# KiCad board Scopefun_v2.kicad_pcb (continued)
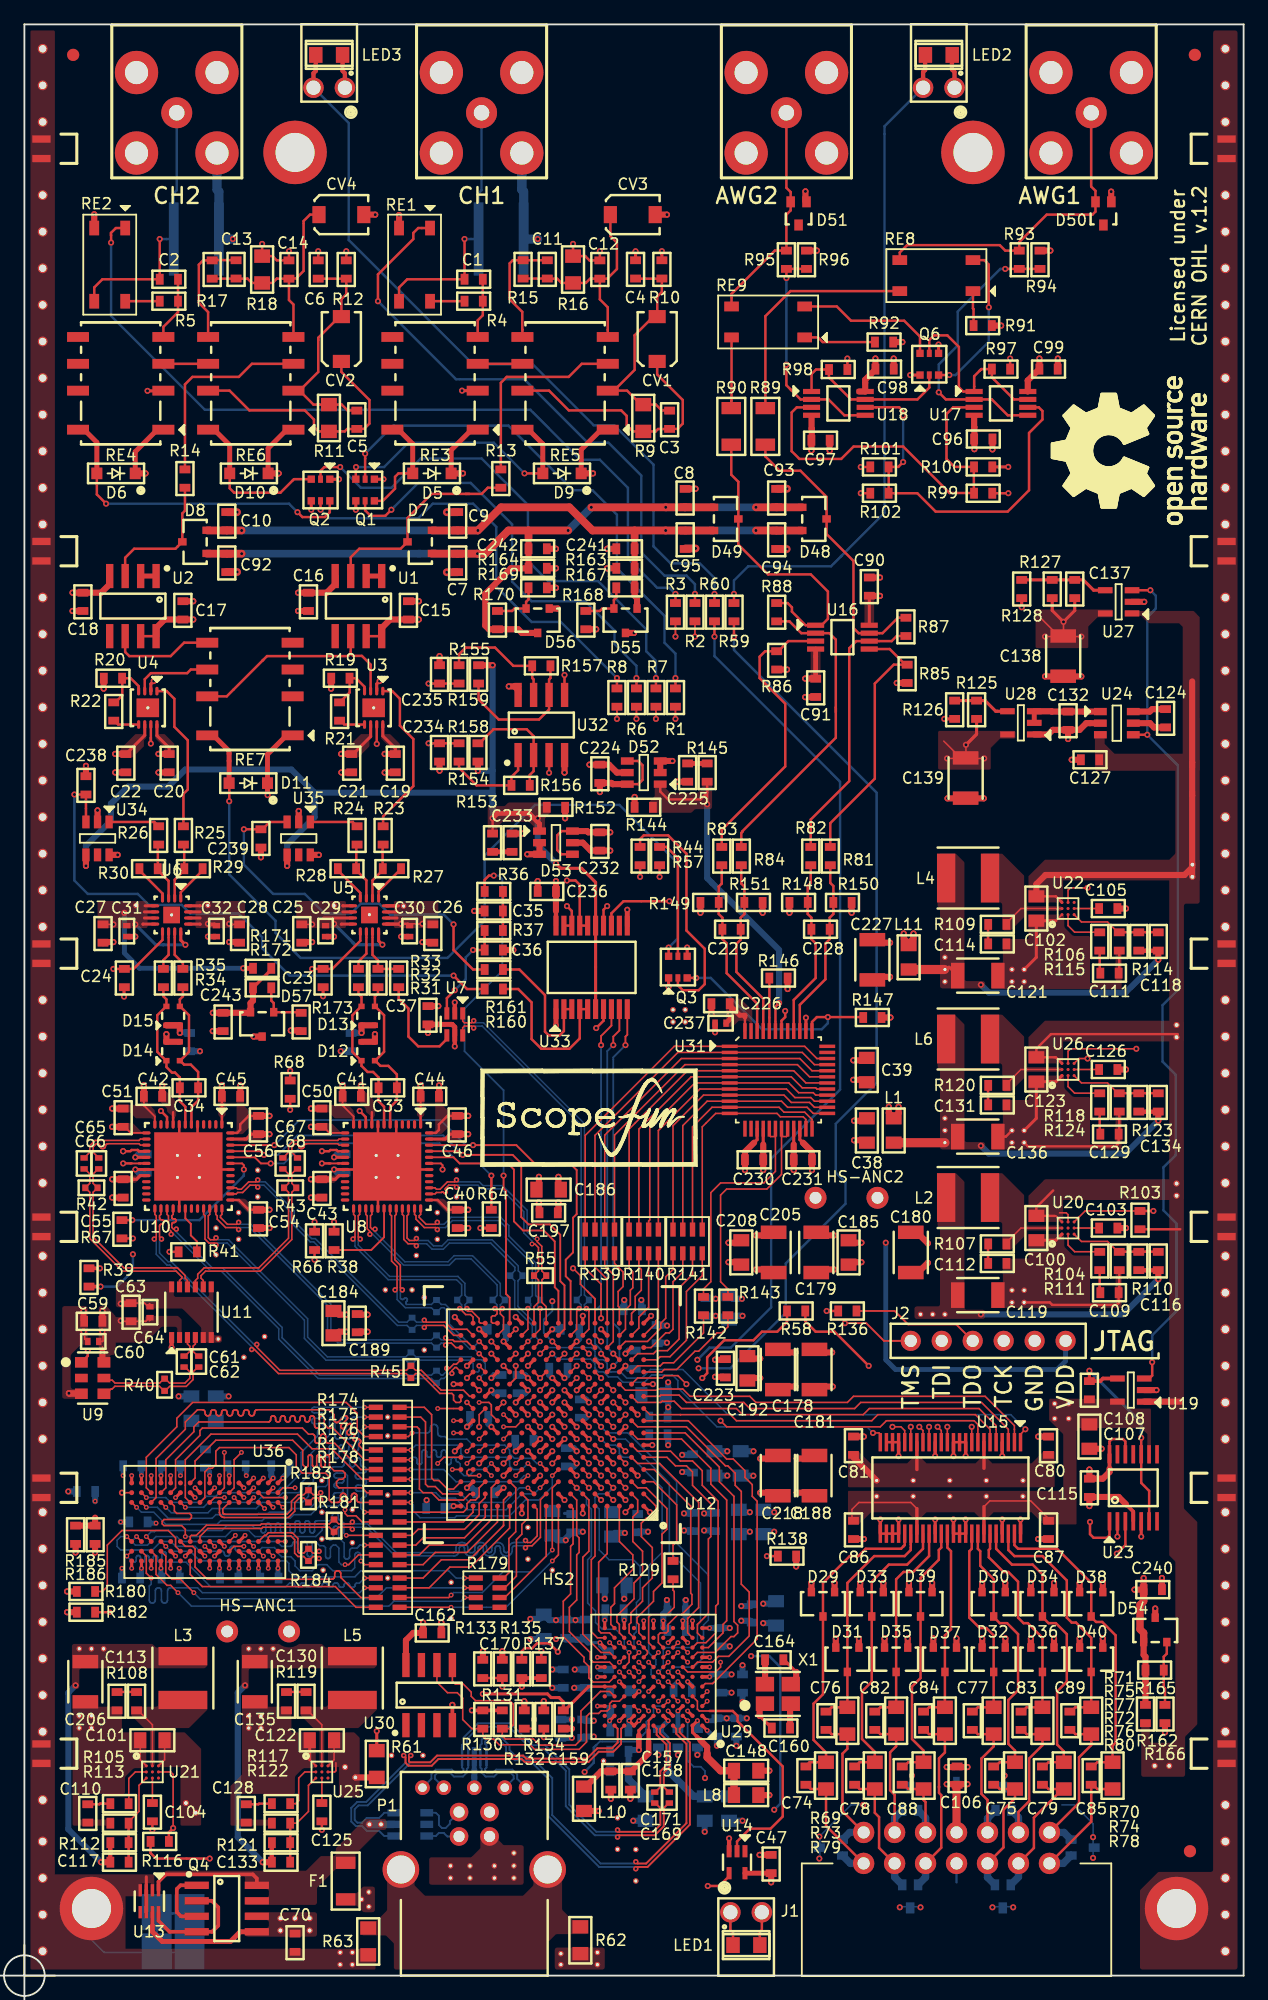
[diagram p0: board, top side]
## Routing (per net, layer and track width the routed paths; a pad name or vN(x,y) marks a point on that pad's centre or on a via; arc(x,y) is an arc through that point) (continued)
dpot_sck: length 72.2
  Top w0.15: U12.P8 v1(43.3,52)
  Top w0.2: U23.2 v1(89.65,36)
  In2.Cu w0.15: 50.4,57.8 50.5,57.8 ; 50.4,57.8 48.8,57.8 47.8,56.8 44.35,56.8 43.3,55.75 v1(43.3,55.3) ; 50.4,57.8 58.83,57.8 59.58,58.55 64.83,58.55 66.88,56.5 78.8,56.5 80.9,54.4 83.3,54.4 84.1,53.6 84.1,50.9 85.05,49.95 85.05,44.05 85.7,43.4 85.7,42.83 ; v1(89.65,36) 88.95,35.3 88.2,35.3 85.7,37.8 85.7,42.83 ; 85.7,42.83 85.7,42.9
  Bottom w0.15: v1(43.3,55.3) 43.3,54.5 42.6,53.8 42.6,52.7 v1(43.3,52)
dpot_si: length 77.6
  Top w0.15: U12.J13 v1(39.3,47)
  Top w0.2: U23.3 90.3,35.3 v1(89.6,34.6)
  In2.Cu w0.15: 74.72,55.8 74.6,55.8 ; 74.6,55.8 66,55.8 64.7,57.1 49.1,57.1 48.3,56.3 45,56.3 43.8,55.1 43.8,54.3 42.8,53.3 42.8,49.8 42.5,49.5 41,49.5 39.3,47.8 v1(39.3,47) ; 74.6,55.8 78.65,55.8 81.6,52.85 81.6,47 83.85,44.75 83.85,41.9 84.85,40.9 84.85,37.55 87.8,34.6 v1(89.6,34.6)
faddr[0]: length 22.1
  Top w0.127: U29.H5 v2(52.8,26.5) ; U12.F3 v1(49.3,43)
  In2.Cu w0.127: v1(49.3,43) 50.6,43 54.6,39 54.6,36 54.4,35.8 54.4,31.6 54.75,31.25 54.75,29.95 54.4,29.6 54.4,28.1 54,27.7 54,27.1 53.8,26.9 53.2,26.9 v2(52.8,26.5)
faddr[1]: length 18.5
  Top w0.127: U12.D1 51.65,41.5 54.65,38.5 54.65,31.35 54.75,31.25 54.75,30.45 53.9,29.6 53.6,29.6 52.8,28.8 52.8,28.25 52.65,28.1 52.15,28.1 52,27.95 52,27.3 U29.J5
fdata[0]: length 17.8
  Top w0.127: U12.A7 45,38.3 45,35.4 44.8,35.2 44.8,31.3 44.2,30.7 44.2,27.8 45.9,26.1 45.9,25.75 46.3,25.35 46.3,24.4 46.63,24.07 47.97,24.07 U29.F10
fdata[1]: length 19.8
  Top w0.127: U12.D6 v1(46.3,41) ; v2(48.8,24.9) U29.F9
  In2.Cu w0.127: v1(46.3,41) 46.8,40.5 46.8,35.1 46,34.3 46,26.8 46.3,26.5 46.3,26.1 46.7,25.7 47.25,25.7 48.05,24.9 v2(48.8,24.9)
fdata[2]: length 30.6
  Top w0.127: U12.J5 v1(47.3,46) ; U29.F7 v2(50.4,24.1)
  In2.Cu w0.127: v1(47.3,46) 46.8,45.5 46.8,43.8 46.5,43.5 46.1,43.5 45.8,43.2 45.8,39.4 45.3,38.9 45.3,38.2 45,37.9 45,30.75 44.2,29.95 44.2,28.05 44.6,27.65 44.6,24.8 44.9,24.5 46.2,24.5 47,23.7 49.2,23.7 49.6,24.1 v2(50.4,24.1)
fdata[3]: length 17.1
  Top w0.127: U29.G10 48,25.7 46.65,25.7 46.4,25.95 46.4,26.5 44.7,28.2 44.7,30.2 45.3,30.8 45.3,34.5 45.5,34.7 45.5,35.9 45.3,36.1 45.3,39 U12.B7
fdata[4]: length 18.2
  Top w0.127: v2(49.6,26.5) 49.6,25.7 U29.G9 ; U12.C7 v1(45.3,40)
  Bottom w0.127: v1(45.3,40) 46.1,39.2 46.1,38.65 46.5,38.25 46.5,34.4 46.2,34.1 46.2,30.55 46.85,29.9 46.85,28.95 47.4,28.4 48.5,28.4 49.2,27.7 49.2,26.9 v2(49.6,26.5)
fdata[5]: length 17.4
  Top w0.127: U12.B5 v1(47.3,39) ; U29.F8 v2(49.6,24.9)
  In2.Cu w0.127: v1(47.3,39) 47.3,34.8 46.6,34.1 46.6,27.1 48.4,25.3 49.2,25.3 v2(49.6,24.9)
fdata[6]: length 15.3
  Top w0.127: U12.B6 46.3,39 46.3,34.8 45.8,34.3 45.8,28 47.3,26.5 48,26.5 U29.H10
fdata[7]: length 15.2
  Top w0.127: U29.H9 v2(48.8,25.7) ; U12.B4 v1(48.3,39)
  In2.Cu w0.127: 48.4,27 48.4,27.7 48.1,28 48.1,31.3 47.9,31.5 47.9,33.6 48.3,34 v1(48.3,39) ; 48.4,27 48.4,26.1 v2(48.8,25.7) ; 48.4,27 48.4,26.9
fdata[8]: length 15.8
  Top w0.127: U12.D5 v1(47.3,41) ; U29.J10 v2(48,27.3)
  In2.Cu w0.127: v2(48,27.3) 47.6,27.7 47.6,28.4 47.1,28.9 47.1,33.8 47.8,34.5 47.8,40.5 v1(47.3,41)
fdata[9]: length 15.3
  Top w0.127: U12.D4 v1(48.3,41) ; U29.J9 v2(48.8,27.3)
  In2.Cu w0.127: v1(48.3,41) 48.8,40.5 48.8,33.1 48.7,33 48.7,28.2 48.8,28.1 v2(48.8,27.3)
fdata[10]: length 11.7
  Top w0.127: U29.K11 47,27.7 46.5,28.2 46.5,34.1 46.8,34.4 U12.A5
fdata[11]: length 11.3
  Top w0.127: U29.L10 48.1,28.8 48.1,30.2 48.4,30.5 48.4,31.8 49.9,33.3 49.9,34.5 48.8,35.6 U12.A3
fdata[12]: length 12
  Top w0.127: U12.A4 47.8,34.6 47.1,33.9 47.1,28.3 47.3,28.1 48,28.1 U29.K10
fdata[13]: length 13.6
  Top w0.127: U29.K9 48.8,28.1 48.8,28.8 48.6,29 48.6,29.5 50,30.9 50,32.2 50.7,32.9 50.7,34.8 49.9,35.6 49.9,37.6 50.3,38 50.3,39 U12.B2
fdata[14]: length 12.4
  Top w0.127: U12.A2 v1(49.3,38) ; U29.J8 v2(49.6,27.3)
  In2.Cu w0.127: v2(49.6,27.3) 49.6,28.6 49.75,28.75 49.75,32.35 50,32.6 50,37.3 v1(49.3,38)
fdata[15]: length 21.9
  Top w0.127: U12.C6 v1(46.3,40) ; U29.G8 v2(50.4,24.9)
  In2.Cu w0.127: v1(46.3,40) 46.3,35.4 45.5,34.6 45.5,30.35 44.7,29.55 44.7,28.6 45.4,27.9 45.4,26.2 46.7,24.9 47.3,24.9 47.7,24.5 50,24.5 v2(50.4,24.9)
fdata[16]: length 18.7
  Top w0.127: U12.E2 50.3,42 52.1,42 55.3,38.8 55.3,30.18 54.42,29.3 54.4,29.3 54.4,28.1 U29.K2
fdata[17]: length 22.3
  Top w0.127: U12.E6 v1(46.3,42) ; U29.J4 v2(53.6,27.3)
  In2.Cu w0.127: v2(53.6,27.3) 53.2,27.7 53.2,28.5 53.5,28.8 53.5,39.3 50.3,42.5 46.8,42.5 v1(46.3,42)
fdata[18]: length 19.3
  Top w0.127: U29.K1 55.2,28.1 55.2,28.8 56.1,29.7 56.1,35.8 56.3,36 56.3,38.7 54.8,40.2 54.8,41.3 54.3,41.8 53.4,41.8 52.7,42.5 U12.E1
fdata[19]: length 23
  Top w0.127: U12.F2 50.3,43 53,43 53.8,42.2 54.8,42.2 55.6,41.4 55.6,40.2 56.9,38.9 56.9,30.5 56.7,30.3 56.7,28.1 55.9,27.3 55.2,27.3 U29.J2
fdata[20]: length 23.2
  Top w0.127: U29.J3 v2(54.4,26.5) ; U12.F4 v1(48.3,43)
  In2.Cu w0.127: v1(48.3,43) 48.6,43 49.1,43.5 50.8,43.5 55.3,39 55.3,28.9 54.8,28.4 54.8,26.9 v2(54.4,26.5)
fdata[21]: length 24.1
  Top w0.127: U29.J1 56.1,26.9 57.3,28.1 57.3,28.8 57.6,29.1 57.6,39 56.3,40.3 56.3,41.6 53.9,44 50.3,44 U12.G2
fdata[22]: length 26.1
  Top w0.127: U12.G1 54.2,44.5 57,41.7 57,40.5 58.2,39.3 58.2,29.03 58.5,28.73 58.5,28.1 58.2,27.8 57.96,27.8 56.66,26.5 55.2,26.5 U29.H2
fdata[23]: length 27.7
  Top w0.127: U12.F5 v1(47.3,43) ; U29.H3 v2(54.4,25.7)
  In2.Cu w0.127: v1(47.3,43) 47.8,43.5 48.5,43.5 49,44 51.7,44 52.1,43.6 52.1,43.2 53.3,42 54.3,42 56.3,40 56.3,29.3 55.6,28.6 55.6,26.9 v2(54.4,25.7)
fdata[24]: length 28.7
  Top w0.127: U29.F4 v2(52.8,24.9) ; U12.H5 v1(47.3,45)
  Bottom w0.127: v1(47.3,45) 47.8,44.5 48.5,44.5 ; 48.5,44.5 48.8,44.5 ; 48.5,44.5 49.5,44.5 53.5,40.5 53.5,35.45 56.1,32.85 56.1,29.15 55.7,28.75 55.7,26.1 54.9,25.3 53.2,25.3 v2(52.8,24.9)
fdata[25]: length 29.8
  Top w0.127: U29.G2 55.2,25.7 56.44,25.7 56.92,26.18 57.78,26.18 59.45,27.85 59.45,31.45 58.8,32.1 58.8,39.7 58.3,40.2 58.3,41.2 57.7,41.8 57.5,41.8 54.3,45 50.3,45 U12.H2
fdata[26]: length 31.2
  Top w0.127: U12.J4 v1(48.3,46) ; v2(57.1,25.7) 57.1,25.3 56.7,24.9 54.4,24.9 U29.G3
  In2.Cu w0.127: v2(57.1,25.7) 57.1,28.9 57.6,29.4 57.6,40 57.15,40.45 57.15,41.15 53.8,44.5 52.7,44.5 52.2,45 50,45 49.5,45.5 48.8,45.5 v1(48.3,46)
fdata[27]: length 29.2
  Top w0.127: U29.F3 v2(53.6,24.9) ; U12.H4 v1(48.3,45)
  In2.Cu w0.127: v2(53.6,24.9) 53.9,25.2 54.7,25.2 55.6,26.1 55.6,26.3 56.3,27 56.3,27.7 56.7,28.1 56.7,28.9 56.9,29.1 56.9,40.6 54.2,43.3 53.8,43.3 53.1,44 52.4,44 51.9,44.5 48.8,44.5 v1(48.3,45)
fdata[28]: length 26.6
  Top w0.127: U12.G4 v1(48.3,44) ; U29.F5 v2(52,24.9)
  Bottom w0.127: v2(52,24.9) 52.4,25.3 52.4,26.7 52.6,26.9 54.8,26.9 55.2,27.3 55.2,28.75 55.45,29 55.45,32.2 52.9,34.75 52.9,40.4 49.3,44 v1(48.3,44)
fdata[29]: length 30.3
  Top w0.127: U12.H1 54.46,45.5 57.6,42.36 58.14,42.36 59.1,41.4 59.1,40.86 59.7,40.26 59.7,39.3 60.1,38.9 60.1,27.6 56.45,23.95 55.85,23.95 U29.E1
fdata[30]: length 25.2
  Top w0.127: U12.G5 v1(47.3,44) ; U29.E5 v2(52,24.1)
  Bottom w0.127: v2(52,24.1) 51.4,24.7 51.4,25.1 51.8,25.5 51.8,25.9 51.2,26.5 51.2,33.6 52.3,34.7 52.3,40 49.8,42.5 49.1,42.5 48.8,42.8 48.8,43.2 48.5,43.5 47.8,43.5 v1(47.3,44)
fdata[31]: length 34
  Top w0.127: U29.E4 v2(52.8,24.1) ; U12.H3 v1(49.3,46)
  In2.Cu w0.127: v1(49.3,46) 49.65,46 50.15,45.5 54.1,45.5 58.3,41.3 58.3,28.93 58.48,28.75 58.48,26.18 57.2,24.9 55.45,24.9 55.25,24.7 54.2,24.7 54,24.5 53.2,24.5 v2(52.8,24.1)
FLAGA: length 18.4
  Top w0.127: U12.D3 v1(49.3,41) ; U29.G7 v2(50.4,25.7)
  In2.Cu w0.127: v1(49.3,41) 49.3,40.68 49.58,40.4 49.6,40.4 51.8,38.2 51.8,36 51.2,35.4 51.2,31.9 50.9,31.6 50.9,29.8 51.2,29.5 51.2,28.8 50.86,28.46 50.86,26.16 v2(50.4,25.7)
FLAGB: length 21.8
  Top w0.127: U29.G6 v2(51.2,25.7) ; U12.E5 v1(47.3,42)
  In2.Cu w0.127: v2(51.2,25.7) 51.2,26.5 51.5,26.8 51.5,28.3 52,28.8 52,29.5 51.5,30 51.5,31.3 52,31.8 52,35.3 52.4,35.7 52.4,38.6 50.5,40.5 50.1,40.5 49.8,40.8 49.8,41.2 49.5,41.5 47.8,41.5 v1(47.3,42)
FLAGD: length 20.6
  Top w0.127: U12.E3 v1(49.3,42) ; U29.G5 v2(52.8,25.7)
  In2.Cu w0.127: v2(52.8,25.7) 52.4,26.1 52.4,28.4 52.9,28.9 52.9,29.5 52.1,30.3 52.1,31.1 53,32 53,39 50,42 v1(49.3,42)
INIT_B: length 39.8
  Top w0.127: v1(41.3,47) U12.K10 ; v2(54.4,22.5) 54,22.9 U29.D3
  Top w0.2: 42.4,26.55 R137.2
  In2.Cu w0.127: v1(41.3,47) 41.8,46.5 41.8,43.8 42.1,43.5 43.5,43.5 44.3,42.7 44.3,40 43.8,39.5 43.8,38.5 42.7,37.4 42.7,30.4 42.4,30.1 v1(42.4,26.6) 42.4,26 42.7,25.7 42.7,24.7 43.1,24.3 43.5,24.3 44.9,22.9 54,22.9 v2(54.4,22.5) 54.4,22.5
IOUTA: length 15
  Top w0.2: 57.24,85.8 57.24,85 57.6,84.64 57.6,82.2 60.1,79.7 U31.46 ; C229.2 57.25,86.75 56.95,87.05 R149.1 56.95,89.3 57.2,89.55 57.2,91.04
IOUTB: length 14.8
  Top w0.2: U31.39 63.6,79.6 65.7,81.7 65.7,84.64 66.06,85 66.06,85.8 ; C228.1 66.05,86.75 66.35,87.05 R150.1 66.35,89.35 66.1,89.6 66.1,91.04
LED[1]: length 19.1
  Top w0.127: U12.L4 v1(48.3,48)
  Top w0.2: v1(55.6,49) 56,49.4 56,50.7 57.4,52.1 59.8,52.1 60.5,52.8 61.75,52.8 62.55,53.6 R58.2
  In2.Cu w0.127: v1(55.6,49) 55.1,49 54.95,49.15 52.5,49.15 52.35,49 51.2,49 50.6,48.4 48.7,48.4 v1(48.3,48)
LED[2]: length 84.8
  Top w0.127: U12.L5 v1(46.3,48)
  Top w0.2: v1(58.2,109.8) R59.2
  In2.Cu w0.127: v1(46.3,48) U12.L5 47.9,48.5 48.1,48.7 50.2,48.7 50.85,49.35 52.05,49.35 52.25,49.55 55.05,49.55 v1(55.3,49.8)
  Bottom w0.2: v1(58.2,109.8) 58.2,108.7 69.9,97 69.9,73.2 66.55,69.85 66.55,65.85 67.35,65.05 67.35,63.3 62.45,58.4 62.45,54.35 57.9,49.8 v1(55.3,49.8)
LED[3]: length 79.9
  Top w0.127: U12.M5 v1(47.3,49)
  Top w0.2: v1(56.6,109.8) R60.2
  In2.Cu w0.127: v1(55.2,50.5) 54.6,49.9 51.95,49.9 51.8,49.75 50.55,49.75 49.8,49 v1(47.3,49)
  Bottom w0.2: v1(55.2,50.5) 56.2,51.5 57.95,51.5 61.25,54.8 61.25,67 66.9,72.65 66.9,97.9 56.6,108.2 v1(56.6,109.8)
PKTEND: length 18.9
  Top w0.127: U29.H8 50.01,26.1 v2(50.41,26.5) ; U12.C4 v1(48.3,40)
  Bottom w0.127: v1(48.3,40) 47.8,39.5 47.1,39.5 46.8,39.2 46.8,38.6 47.15,38.25 47.15,34.9 47.95,34.1 49.95,34.1 50.5,33.55 50.5,30.9 50.2,30.6 50.2,28.2 50,28 50,26.91 v2(50.41,26.5)
PROG_B: length 45.9
  Top w0.127: v2(56,22.5) U29.C1 ; U12.L9 v1(42.3,48)
  Top w0.2: 61.85,34.4 v1(60.9,34.4)
  In2.Cu w0.127: v2(56,22.5) 57.2,23.7 59.05,23.7 60.1,24.75 60.1,25.25 61.75,26.9 61.75,31.6 60.9,32.45 v1(60.9,34.4) 60.9,40.7 55.6,46 51.3,46 50.8,46.5 45.8,46.5 44.8,47.5 42.8,47.5 v1(42.3,48)
PWR_EN: length 123.1
  Top w0.127: 90.9,113.55 U27.3
  Top w0.2: U27.3 v1(92.35,113.6) ; v1(52.9,88.1) 49.14,88.1 48.15,87.11 U33.13 ; v1(92.1,101.75) U24.4 ; v1(92.5,50.3) 92.5,49.2 92.26,48.96 U19.3
  In2.Cu w0.2: v1(92.1,101.75) 78.45,88.1 v1(52.9,88.1)
  Bottom w0.2: v1(92.35,113.6) 92.8,113.15 92.8,112.1 92.1,111.4 v1(92.1,101.75) 94.6,99.25 94.6,80.83 93.35,79.58 93.35,74.95 94.42,73.88 94.42,67.28 93.42,66.28 93.42,62.75 94.5,61.68 94.5,54.5 92.5,52.5 v1(92.5,50.3)
RE1: length 27.7
  Top w0.127: 4.9,126.77 RE4.8 4.9,126.77
  Top w0.2: v1(22.4,120) 22.8,119.6 24.65,119.6 25.05,120 Q2.6 ; v1(6.7,120.7) 5.94,121.46 D6.2
  Top w0.4: D6.2 5.94,125.72 4.9,126.77
  Bottom w0.2: v1(22.4,120) 21.7,120.7 v1(6.7,120.7)
RE2: length 13.2
  Top w0.127: 16.8,123.22 D10.2 ; RE6.8 15.57,126.77
  Top w0.2: D10.2 16.84,121.96 17.2,121.6 21,121.6 22.11,122.71 Q2.3
  Top w0.4: D10.2 16.84,125.49 15.57,126.77
RE3: length 9.7
  Top w0.127: RE3.8 30.68,126.77 RE3.8
  Top w0.2: Q1.6 29.4,120.93 30.4,121.93 30.4,122.9 30.68,123.18 D5.2
  Top w0.4: D5.2 31.85,125.6 30.68,126.77
RE4: length 22.8
  Top w0.127: 42.48,123.22 D9.2 ; RE5.8 41.35,126.77
  Top w0.2: v1(27.2,123.7) 27.18,123.68 Q1.3 ; D9.2 v1(41.02,123.18)
  Top w0.4: D9.2 42.52,125.6 41.35,126.77
  Bottom w0.2: v1(27.2,123.7) 29.5,123.7 31.5,125.7 38.5,125.7 v1(41.02,123.18)
RE7: length 70.9
  Top w0.2: D11.2 16.8,97.77 v1(16.8,96.3) ; Q3.6 v1(52.84,84.3) 52.84,84.3
  Top w0.4: D11.2 16.79,100.41 15.5,101.7 RE7.8
  Bottom w0.2: v1(52.84,84.3) 53.6,85.06 53.6,91.2 48.8,96 41.9,96 37.75,91.85 37.75,86.5 34.7,83.45 22.65,83.45 20.6,85.5 20.6,86.5 16.8,90.3 v1(16.8,96.3)
SLCS: length 14.4
  Top w0.127: U29.K8 49.6,28.1 49.6,28.8 49.75,28.95 49.75,29.75 50.7,30.7 50.7,31.8 51.5,32.6 51.5,35.1 50.6,36 50.6,37.1 51,37.5 51.6,37.5 51.8,37.7 51.8,38.5 U12.B1
SLOE_SLRD: length 15.7
  Top w0.127: U12.C3 v1(49.3,40) ; U29.H7 51.1,26.4 51.1,26.6 U29.J7 v2(50.4,27.3)
  In2.Cu w0.127: v2(50.4,27.3) 50.4,27.8 50.35,27.85 50.35,32.05 50.6,32.3 50.6,36 50.5,36.1 50.5,38.8 v1(49.3,40)
SLWR: length 15.7
  Top w0.127: U29.K7 50.4,28.1 50.4,28.8 50.25,28.95 50.25,29.35 51.6,30.7 51.6,31.5 52.3,32.2 52.3,36.2 52.7,36.6 52.7,38.3 52.3,38.7 52.3,38.71 52.1,38.9 51,40 50.3,40 U12.C2
SPI_MOSI: length 41.1
  Top w0.127: U12.J14 37.3,46 v1(37.3,45) ; U29.D5 v2(52,22.5)
  In2.Cu w0.127: v1(37.3,45) 37.3,44.68 38.48,43.5 40.5,43.5 40.8,43.2 40.8,42.8 41.1,42.5 43.5,42.5 43.8,42.2 43.8,40.5 43.3,40 43.3,39 42.25,37.95 42.25,30.95 40.9,29.6 40.9,26.45 42.15,25.2 42.15,24.4 42.55,24 42.55,23.35 43.65,22.25 46.4,22.25 46.64,22.49 48.19,22.49 48.2,22.5 v2(52,22.5)
SPI_SCK: length 35.3
  Top w0.127: U29.D4 53.2,22.9 v2(53.6,22.5) ; v1(43.3,42) U12.E8
  In2.Cu w0.127: v1(43.3,42) 42.8,41.5 42.8,39.5 41.8,38.5 41.8,31.4 40.3,29.9 40.3,25.45 41.8,23.95 41.8,22.25 42.45,21.6 48,21.6 48.5,22.1 53.2,22.1 53.38,22.28 53.38,22.28 v2(53.6,22.5)
TCK: length 41
  Top w0.127: U12.L7 v1(45.3,49)
  In2.Cu w0.127: J2.4 78.69,50.43 71.8,50.43 70.12,52.1 62.1,52.1 60.9,53.3 54,53.3 53.5,53.8 52.3,53.8 51.7,53.2 48.5,53.2 47.8,52.5 47.1,52.5 46.8,52.2 46.8,51.8 46.5,51.5 46.1,51.5 45.8,51.2 45.8,49.5 v1(45.3,49)
TDI: length 34.9
  Top w0.127: U12.N7 v1(45.3,51)
  In2.Cu w0.127: J2.2 73.81,53.47 70.89,53.47 70.25,52.84 62.46,52.84 61.2,54.1 60,54.1 59.5,54.6 54.8,54.6 54.6,54.4 52,54.4 51.8,54.6 51.2,54.6 51,54.4 46.9,54.4 45.8,53.3 45.8,51.8 45.3,51.3 v1(45.3,51)
TDO: length 10.5
  Top w0.15: R136.1 71.38,54.5 72.48,53.4 76.43,53.4 J2.3
TMS: length 35.3
  Top w0.127: U12.M7 v1(45.3,50)
  Top w0.15: v1(67.3,53.5) 69.05,53.5 70.5,52.05 J2.1
  In2.Cu w0.127: v1(45.3,50) 44.8,50.5 44.8,54.7 45.4,55.3 48.5,55.3 48.9,54.9 50.9,54.9 51.1,55.1 54.6,55.1 54.7,55 61.3,55 62.8,53.5 67.15,53.5
  In2.Cu w0.15: 67.08,53.5 v1(67.3,53.5)
U3RX+: length 40.3
  Top w0.155: U29.A4 53.46,20.24 53.46,19.84 54.3,19 54.3,12.5 50.99,9.19 50.3,9.19 v3(50.15,9.34)
  Bottom w0.155: P1.8 40.13,16.14 40.13,16.38 39.91,16.61 38.81,16.61 38.52,16.32 37.83,16.32 37.51,16.64 37.51,16.95 37.4,17.06 D17.7 D17.4 37.4,18.91 37.51,19.02 37.51,19.36 37.87,19.72 38.93,19.72 39.79,18.86 39.79,18.49 40.34,17.94 41.56,17.94 43.29,16.21 43.29,13.16 47.26,9.19 50,9.19 v3(50.15,9.34)
U3RX-: length 40.5
  Top w0.155: v3(50.15,8.76) 50.3,8.91 51.11,8.91 54.58,12.38 54.58,19.12 53.74,19.96 53.74,20.24 U29.A3
  Bottom w0.155: v3(50.15,8.76) 50,8.91 47.14,8.91 43.01,13.04 43.01,16.09 41.44,17.66 40.23,17.66 39.51,18.38 39.51,18.74 38.82,19.43 38.02,19.43 37.79,19.21 37.79,19.02 37.9,18.91 D17.5 ; D17.5 D17.6 37.9,17.06 37.79,16.95 37.79,16.76 37.95,16.6 38.4,16.6 38.69,16.89 40.02,16.89 40.42,16.5 40.42,16.14 P1.9 ; D17.5 37.9,18.64
U3TX+: length 31.6
  Top w0.155: C169.1 52.85,14.15 52.44,13.74 52.44,12.24 51.71,11.51 48.8,11.51 v3(48.65,11.36)
  Bottom w0.155: P1.6 33.67,16.14 33.67,16.42 33.86,16.61 34.94,16.61 35.23,16.32 35.97,16.32 36.29,16.65 36.29,16.95 36.4,17.06 D17.9 D17.2 36.4,18.91 36.29,19.02 36.29,19.39 37.31,20.41 39.74,20.41 41.54,18.61 42.59,18.61 44.41,16.79 44.41,13.89 46.79,11.51 48.5,11.51 v3(48.65,11.36)
U3TX-: length 31.6
  Top w0.155: v3(48.65,11.94) 48.8,11.79 51.59,11.79 52.16,12.36 52.16,13.74 51.75,14.15 C171.1
  Bottom w0.155: P1.5 33.38,16.14 33.38,16.53 33.74,16.89 35.06,16.89 35.34,16.61 35.85,16.61 36.01,16.76 36.01,16.95 35.9,17.06 D17.10 D17.1 35.9,18.91 36.01,19.02 36.01,19.51 37.19,20.69 39.86,20.69 41.66,18.89 42.71,18.89 44.69,16.91 44.69,14.01 46.91,11.79 48.5,11.79 v3(48.65,11.94)
V_OV: length 32.8
  Top w0.127: 77.86,121.57 77.88,121.56
  Top w0.2: 77.88,121.56 77.88,123.72 76.28,123.72 75.63,124.37 75.63,128.05 76.18,128.6 U17.3 ; U18.3 63.35,128.6 62.93,128.18 62.93,125 63.57,124.37 67,124.37 68.01,125.38 72.08,125.38 75.89,121.57 77.6,121.57
V_UV: length 32.1
  Top w0.2: U18.6 69.86,128.6 69.87,128.6 71.75,128.6 72.08,128.28 v1(72.08,127.92) ; U17.6 83.2,128.6 83.5,128.3 83.5,127.6 82.4,126.5 82.4,121.8 80.65,120.05 74.74,120.05 73.24,121.56 70.89,121.56 70.89,123.72 71.68,123.72 v1(72.08,124.11)
  Bottom w0.2: v1(72.08,124.11) v1(72.08,127.92)
Va: length 128
  Top w0.127: 69.41,113.14 69.41,113.14 ; RE6.1 21.52,126.77 ; RE5.1 47.3,126.77 ; 83.44,111.25 84.88,109.81 ; 10.9,126.77 RE4.1 10.85,126.77 ; 36.63,126.77 RE3.1 36.68,126.77 ; 85.18,109.8 v1(83.72,109.8) ; 84.83,109.81 85.1,109.81 ; 82.3,129.9 U17.8 81.8,129.9 ; v1(86.69,109.8) 85.23,109.8 v1(85.23,111.01)
  Top w0.13: C27.2 v1(7.3,86.2) ; C25.1 v1(23.6,86.2)
  Top w0.2: D52.6 50.35,97.7 50.7,98.05 50.7,99.25 50.35,99.6 D52.4 ; R98.1 v1(67.5,132.6) ; R97.1 v1(80.85,132.6) ; 79.4,121.56 v1(80.7,121.56) ; 69.8,131.74 C98.1 ; D53.4 44.05,91.95 43.7,92.3 43.7,93.5 44.05,93.85 D53.6 ; U2.7 U2.8 ; U1.7 U1.8
  Top w0.25: U6.5 9.91,87.72 ; U5.8 26.01,86.22 25.99,86.21 ; 30.43,100.18 30.43,100.62 29.4,101.65 U3.8 ; U5.12 29.05,84.85 v1(29.36,84.53) ; U6.8 9.73,86.22 9.72,86.21 ; U4.8 10.87,101.68 11.88,100.67 11.88,100.18 ; U6.6 9.85,87.22 ; U5.7 24.57,86.72 ; v1(13.21,84.53) 12.83,84.91 U6.12 ; R127.1 84.3,111.94 v1(85.23,111.01) 86.15,111.93 C137.1 ; U5.5 26.13,87.72 26.12,87.73 ; C90.1 69.3,110.74 U16.8 ; U5.6 26.12,87.22 ; U6.7 9.85,86.72
  Top w0.4: v1(19.95,96.8) 19.94,96.81 D11.1 19.94,100.14 21.5,101.7 RE7.1 ; D6.1 9.09,124.96 10.9,126.77 ; 21.52,126.77 19.99,125.24 D10.1 ; 36.68,126.77 35,125.09 D5.1 ; v1(17.95,82.6) R171.2 ; 47.3,126.77 45.67,125.13 D9.1
  Top w0.5: D52.6 48.24,97.7 48.14,97.8 C224.1 v1(47.2,97.05) ; D10.1 v1(20.86,123.18) ; v1(69.8,132.6) 69.8,131.74 ; C17.2 11.5,111.2 10.8,110.51 U2.8 ; 30.46,100.18 v1(29.55,100.18) ; C15.2 30,111.2 29.3,110.51 U1.8 ; D53.6 46.16,93.85 46.26,93.75 C232.1 v1(48.05,93.75) ; 40.2,105.72 40.49,105.42 U32.8 ; 40.2,105.72 v1(39.73,105.72) ; 40.2,105.72 40.49,105.72 ; U17.8 82.3,130.8 83.23,131.73 C99.1 v1(83.25,132.6) ; D6.1 v1(9.93,123.18) ; D5.1 v1(35.97,123.18) ; 48.45,115.4 v1(47.8,115.4) ; v1(72.01,133.95) R92.2 ; 69.41,113.14 v1(70.18,113.14) ; 68.48,129.9 U18.8 68.96,130.86 69.8,131.7 C98.1 ; U34.6 v1(7.65,91.9) ; v1(80.11,135.3) 79.4,135.3 ; D9.1 v1(46.64,123.18) ; 31.65,111.2 v1(32.35,111.2) ; 11.89,100.18 v1(11,100.18) ; 13.15,111.2 v1(13.85,111.2) ; 67.51,131.69 R98.1 ; U35.6 v1(24.15,91.9)
  Bottom w0.25: 26.95,84.7 27.12,84.53 v1(29.36,84.53) ; 26.95,84.7 v1(25.4,86.25) ; 26.95,84.7 27.07,84.58 ; v1(9.1,86.2) 10.77,84.53 11.4,84.53 ; v1(13.21,84.53) 11.4,84.53 ; 11.4,84.53 11.4,84.53
  Bottom w0.4: v1(17.95,82.6) 9.45,82.6 8.2,83.85 v1(8.2,87.15)
XTALI: length 16.4
  Top w0.127: v2(52,21.7) U29.C6 ; 62.8,23.96 X1.3
  Top w0.25: 62.3,25.9 v1(63.3,24.9) ; 62.3,25.9 62.2,25.9 ; 62.3,25.9 C164.1
  Top w0.5: X1.3 63.3,24.34 v1(63.3,24.9)
  In2.Cu w0.127: v2(52,21.7) 52.4,21.3 55.6,21.3 55.9,21.6 58.8,21.6 59.7,22.5 60.9,22.5 v1(63.3,24.9)
XTALO: length 13.2
  Top w0.127: 60.7,22.26 X1.1 ; v2(51.2,21.7) U29.C7
  Top w0.25: 61.3,20.4 C160.1 v1(60.3,21.3) ; 60.3,21.86 X1.1
  Top w0.5: v1(60.3,21.3) 60.3,21.86
  In2.Cu w0.127: v2(51.2,21.7) 52.4,20.5 59.5,20.5 v1(60.3,21.3)
~{IOUTA}: length 14.9
  Top w0.2: 58.8,91.04 58.8,89.55 59.05,89.3 R151.1 59.05,87.05 58.75,86.75 C229.1 ; 58.76,85.8 58.76,84.96 58.4,84.6 58.4,82.3 60.6,80.1 U31.45
~{IOUTB}: length 14.7
  Top w0.2: 64.5,91.04 64.5,89.6 64.25,89.35 R148.1 64.25,87.05 64.55,86.75 C228.2 ; 64.54,85.8 64.54,85 64.9,84.64 64.9,81.8 63.1,80 U31.40
Net-(AWG1-Pad1): length 27.1
  Top w0.2: AWG1.1 87.5,146.7 87.85,146.35 D50.2 87.85,144.65 87.6,144.4 83.85,144.4 81.6,142.15 R93.1 80.45,141.45 80,141.9 72.4,141.9 71.8,141.3 RE8.3
Net-(AWG2-Pad1): length 18.7
  Top w0.2: D51.2 62.85,144.75 62.5,144.4 R95.1 61.55,141.45 58,137.9 RE9.3 ; D51.2 62.85,146.25 62.5,146.6 AWG2.1 ; D51.2 62.8,145.5
Net-(C1-Pad1): length 4.9
  Top w0.2: C1.1 R4.1 37.6,136.15 37.18,135.73 RE3.4
Net-(C1-Pad2): length 21.6
  Top w0.2: RE1.3 30.73,138.43 31.4,139.1 36.04,139.1 ; v1(36.1,142.4) C1.2
  Bottom w0.2: v1(36.1,142.4) GDT1.1 37.25,146.15 37.5,146.4 CH1.1 37.5,152.75
Net-(C2-Pad1): length 6.2
  Top w0.127: 11.9,134.37 RE4.4 10.9,134.37
  Top w0.2: C2.1 R5.1 12.6,136.4 11.4,135.2 RE4.4
Net-(C2-Pad2): length 21.6
  Top w0.2: v1(11.1,142.4) C2.2 ; 11.04,139.1 6.4,139.1 5.73,138.43 RE2.3
  Bottom w0.2: 12.5,152.75 CH2.1 12.5,146.4 12.25,146.15 GDT2.1 v1(11.1,142.4)
Net-(C3-Pad1): length 21.2
  Top w0.2: CV1.1 51.9,131.3 54,129.2 54,127.27 53.57,126.83 C3.1 ; RE5.7 43.03,129.97 44.65,128.35 48.95,128.35 49.4,127.9 49.4,127.13 49.91,126.62 R9.1 51.77,126.62 51.97,126.82 52.92,126.82
Net-(C3-Pad2): length 19.3
  Top w0.127: 51.91,136.28 51.83,136.28 ; 48.35,129.97 RE5.2
  Top w0.2: RE5.2 49.43,129.97 50.58,128.82 R9.2 51.8,128.82 52.28,128.34 52.92,128.34 ; 52.29,139.15 50.13,139.15 ; 51.83,136.28 50.05,134.5 50.05,131.67 48.35,129.97 ; R10.1 52.29,138.06 51.91,137.67 51.91,136.28
Net-(C5-Pad1): length 21.3
  Top w0.2: RE6.7 16.83,129.97 18.45,128.35 23,128.35 23.75,127.6 23.75,127 24.13,126.62 R11.1 26.27,126.62 26.47,126.82 27.27,126.82 ; C5.1 27.87,126.83 28.3,127.27 28.3,129.2 26,131.5 CV2.1
Net-(C5-Pad2): length 19.2
  Top w0.127: 22.57,129.97 RE6.2 22.05,129.95 ; 26.12,136.28 26.03,136.28
  Top w0.2: R12.1 26.4,137.87 26,137.47 CV2.2 25.84,136.04 24.1,134.3 24.1,134.1 ; 24.1,134.2 24.1,134.1 ; 24.1,134.1 24.1,131.5 22.57,129.97 23.71,128.82 R11.2 26.03,128.82 26.51,128.34 27.27,128.34 ; 24.09,139.15 26.38,139.15
Net-(C11-Pad1): length 9.7
  Top w0.2: C11.1 R15.1 40.06,140.66 39.8,140.4 39.8,137.46 40.83,136.43 40.83,134.98 40.85,134.97 RE5.5
Net-(C11-Pad2): length 19
  Top w0.127: 44.72,139.15 45.05,138.82 45.37,139.15
  Top w0.2: C11.2 R15.2 ; 42.89,139.15 43.7,139.15 44.05,138.8 R16.1 46.05,138.8 46.4,139.15 47.21,139.15 ; CV3.1 48.06,142.64 48.6,142.1 48.6,139.94 47.81,139.15 C12.1 47.2,137.45 47.85,136.8 47.85,134.97 47.85,134.97 RE5.4
Net-(C13-Pad1): length 9.8
  Top w0.2: R17.1 14.66,140.65 14.31,140.3 14.31,137.17 15.07,136.41 RE6.5 ; 15.08,140.67 17.36,140.67
Net-(C13-Pad2): length 19.6
  Top w0.127: 19.85,139.15 19.52,138.82 19.19,139.15
  Top w0.2: RE6.4 22.07,137.03 21.7,137.4 C14.1 ; C13.2 17.35,139.15 R17.2 ; CV4.1 23.42,144.4 22.9,143.88 22.9,139.78 22.29,139.17 21.68,139.17 ; 24.16,144.5 24.16,144.34 ; 17.36,139.15 18.3,139.15 18.65,138.8 R18.1 20.35,138.8 20.7,139.15 21.68,139.15
Net-(C35-Pad1): length 3.2
  Top w0.2: R36.1 39.25,87.3 C35.1 R37.2
Net-(C36-Pad1): length 8.9
  Top w0.127: 34.65,79.2 U7.3
  Top w0.2: v1(35.3,80.8) 34.65,80.15 U7.3 ; R37.1 37.75,84.1 C36.1 v1(36.8,84.1)
  Bottom w0.2: v1(35.3,80.8) 36.2,81.7 36.2,83.5 v1(36.8,84.1)
Net-(C103-Pad1): length 2
  Top w0.127: 88.14,61.3 U20.C2
Net-(C104-Pad1): length 2
  Top w0.127: 10.5,14.16 U21.C2
Net-(C105-Pad1): length 2
  Top w0.127: 88.14,87.5 U22.C2
Net-(C108-Pad2): length 18.6
  Top w0.127: 92.25,36.65 U23.6
  Top w0.2: v1(91.6,44.1) U23.10 91.6,40.4 92.25,39.75 U23.6
  Top w0.25: v1(87.35,49.6) C108.2
  Top w0.3: C108.2 88.25,48.75 88.46,48.96 U19.4 90,48.96
  Bottom w0.25: v1(87.35,49.6) 91.6,45.35 v1(91.6,44.1)
Net-(C109-Pad1): length 2.2
  Top w0.127: 88.2,56.34 88.24,56.3
  Top w0.2: C109.1 88.2,56.05 88.2,56.6 ; 88.2,56.6 88.2,57.84 ; 88.2,56.6 88.2,56.34
Net-(C110-Pad1): length 1.9
  Top w0.127: 5.54,14.1 5.5,14.06
  Top w0.2: 7.04,14.1 6.2,14.1 6.15,14.05 C110.1
Net-(C111-Pad1): length 1.9
  Top w0.127: 88.2,82.54 88.24,82.5
  Top w0.2: R106.1 88.2,82.25 C111.1
Net-(C112-Pad1): length 1.6
  Top w0.2: 79.04,58.4 79.04,60
Net-(C113-Pad1): length 1.6
  Top w0.2: 7.6,23.26 9.2,23.26
Net-(C114-Pad1): length 1.6
  Top w0.2: 79.04,84.6 79.04,86.2
Net-(C116-Pad2): length 7.5
  Top w0.127: 89.8,59.36 89.67,59.36 88.83,60.2 86.7,60.2 U20.C1
  Top w0.2: 93,59.36 89.8,59.36
Net-(C117-Pad2): length 10.7
  Top w0.127: 8.56,9.3 8.56,12.63 9.4,13.47 9.4,15.6 U21.C1
  Top w0.2: C117.2 R113.1
Net-(C118-Pad2): length 7.5
  Top w0.127: U22.C1 86.7,86.4 88.83,86.4 89.67,85.56 89.8,85.56
  Top w0.2: 89.8,85.56 93,85.56
Net-(C124-Pad1): length 2.7
  Top w0.5: U24.6 92.3,103.65 92.5,103.85 C124.1
Net-(C124-Pad2): length 2.8
  Top w0.5: C124.2 92.66,102.35 92.31,102.7 U24.5
Net-(C125-Pad1): length 2
  Top w0.127: 24.4,14.16 U25.C2
Net-(C126-Pad1): length 2
  Top w0.127: 88.14,74.3 U26.C2
Net-(C128-Pad1): length 2.1
  Top w0.2: R117.1 19.25,14.1 19.2,14.05 C128.1
Net-(C129-Pad1): length 1.6
  Top w0.127: 88.2,69.34 88.24,69.3
  Top w0.2: 88.2,70.84 88.2,69.34
Net-(C130-Pad1): length 1.6
  Top w0.2: 21.5,23.26 23.1,23.26
Net-(C131-Pad1): length 1.6
  Top w0.2: 79.04,71.4 79.04,73
Net-(C133-Pad2): length 8.4
  Top w0.127: 21.81,11.93 21.81,12.63 ; U25.C1 23.3,15.6 23.3,13.47 22.34,12.5 R122.1